# Altium PCB PCB_Amplifier.PcbDoc (part 1 of 4) (continued)
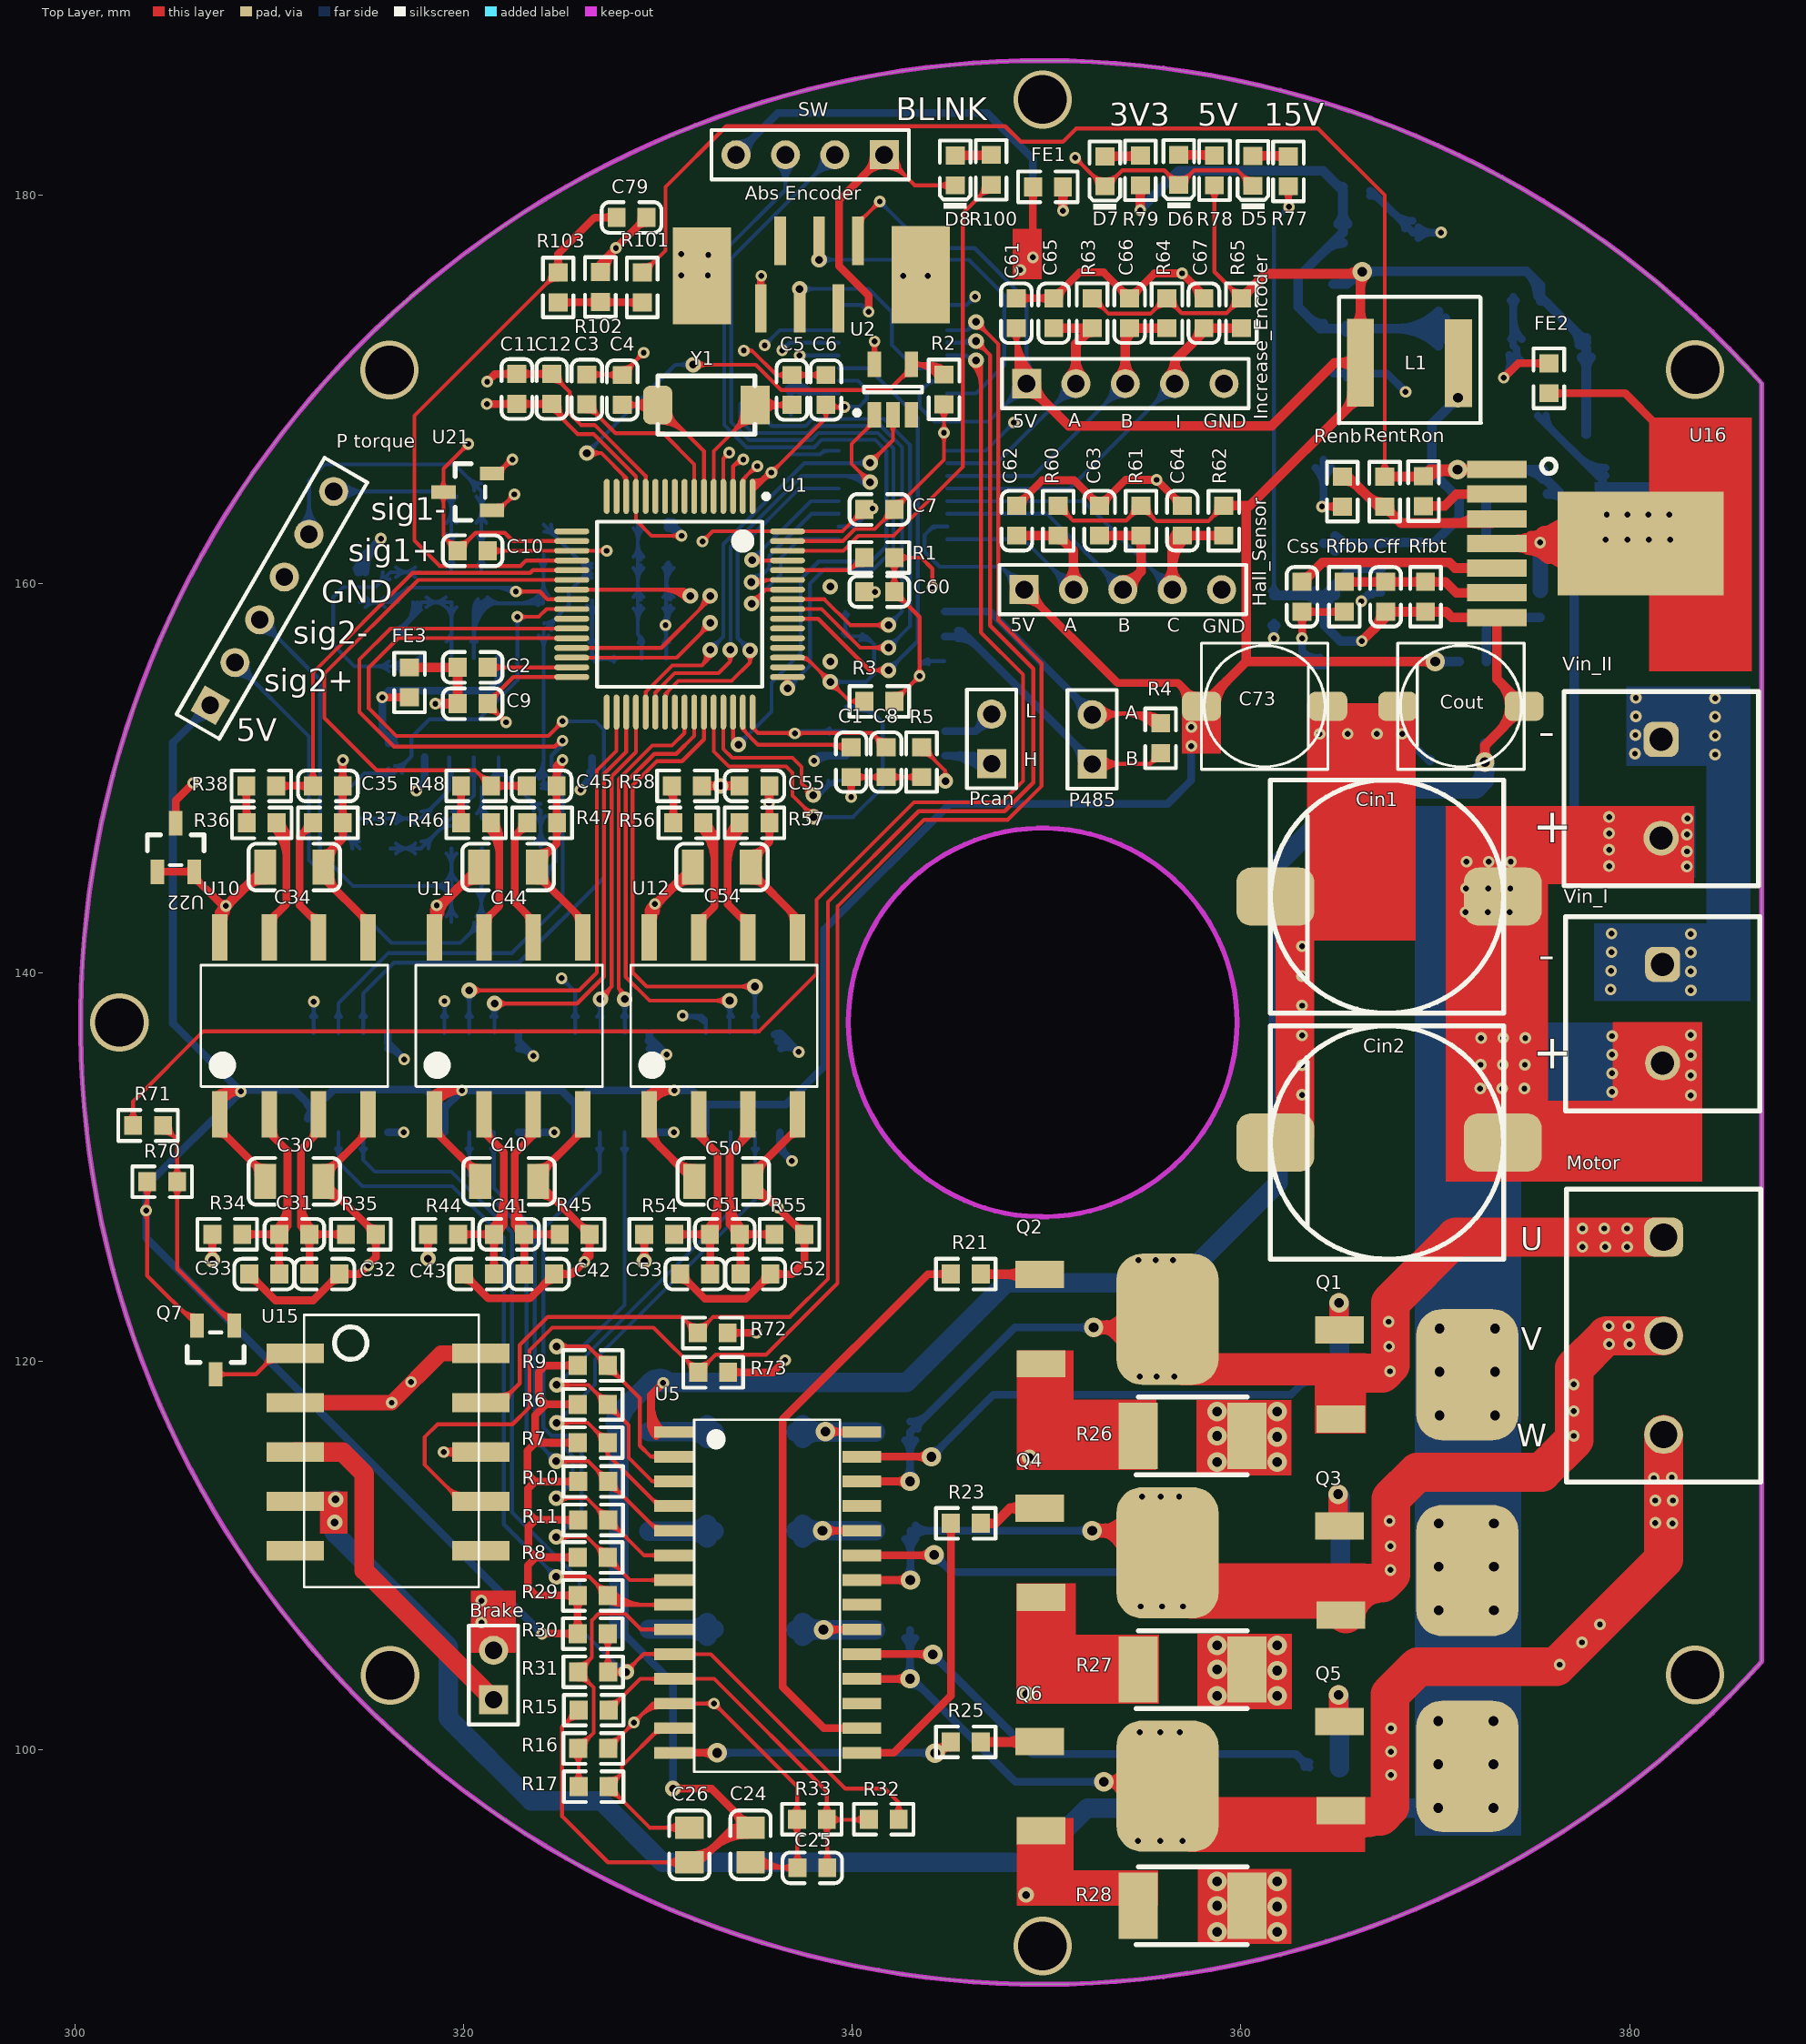
[diagram p0: Top Layer view]
## Footprints (in the part's own frame and the unit in brackets; to place one, negate y for a bottom-side part, rotate by r counter-clockwise, add the part's x,y. Pads: shape width x height; smd on the part's side, far side on the other; paste and mask are expansions set on the pad) (continued)
  rect 1x2 smd: 2(0,0) 3(-2.3,0)
  rect 4x3 smd: 4(0,6.3)
  silkscreen extent -3.25,1.5 3.25,5, body extent -3.25,0.03 3.25,7.33, height 1.6
STM-LQFP64_N [mm] "Thin QFP, 64-Leads, Body 10x10mm, Pitch 0.5mm, IPC Medium Density"
  oval 1.8x0.3 smd: 1(-5.55,3.75) 2(-5.55,3.25) 3(-5.55,2.75) 4(-5.55,2.25) 5(-5.55,1.75) 6(-5.55,1.25) 7(-5.55,0.75) 8(-5.55,0.25) 9(-5.55,-0.25) 10(-5.55,-0.75) 11(-5.55,-1.25) 12(-5.55,-1.75) 13(-5.55,-2.25) 14(-5.55,-2.75) 15(-5.55,-3.25) 16(-5.55,-3.75) 33(5.55,-3.75) 34(5.55,-3.25) 35(5.55,-2.75) 36(5.55,-2.25) 37(5.55,-1.75) 38(5.55,-1.25) 39(5.55,-0.75) 40(5.55,-0.25) 41(5.55,0.25) 42(5.55,0.75) 43(5.55,1.25) 44(5.55,1.75) 45(5.55,2.25) 46(5.55,2.75) 47(5.55,3.25) 48(5.55,3.75)
  oval 0.3x1.8 smd: 17(-3.75,-5.55) 18(-3.25,-5.55) 19(-2.75,-5.55) 20(-2.25,-5.55) 21(-1.75,-5.55) 22(-1.25,-5.55) 23(-0.75,-5.55) 24(-0.25,-5.55) 25(0.25,-5.55) 26(0.75,-5.55) 27(1.25,-5.55) 28(1.75,-5.55) 29(2.25,-5.55) 30(2.75,-5.55) 31(3.25,-5.55) 32(3.75,-5.55) 49(3.75,5.55) 50(3.25,5.55) 51(2.75,5.55) 52(2.25,5.55) 53(1.75,5.55) 54(1.25,5.55) 55(0.75,5.55) 56(0.25,5.55) 57(-0.25,5.55) 58(-0.75,5.55) 59(-1.25,5.55) 60(-1.75,5.55) 61(-2.25,5.55) 62(-2.75,5.55) 63(-3.25,5.55) 64(-3.75,5.55)
  silkscreen extent -5.67,-4.25 4.25,4.58, body extent -5,-5 5,5, height 1.6
TO-252AA [mm] "IRFR3806PbF N沟道MOSFET"
  rect 1.4x2.5 smd: 1(-2.3,-6.575) 3(2.29,-6.5)
  rrect50% 6.75x5.25 smd: 2(0,0)
  body extent -3.3,-7.44 3.3,2.49, height 2.2
TQ2SA [mm] "双通道继电器"
  rect 1x2.94 smd: 1(0,-9.56) 2(2.54,-9.56) 3(5.08,-9.56) 4(7.62,-9.56) 5(10.16,-9.56) 6(10.16,0) 7(7.62,0) 8(5.08,0) 9(2.54,0) 10(0,0)
  silkscreen extent -1.97,-9.1 12.03,-0.1, body extent -1.95,-9.17 12.05,-0.17, height 5.6
"TSSOP 16PIN" [mm] "TXB0106 tssop"
  rect 1.6x0.3 smd: 1(0,0) 2(0,-0.65) 3(0,-1.3) 4(0,-1.95) 5(0,-2.6) 6(0,-3.25) 7(0,-3.9) 8(0,-4.55) 9(5.6,-4.55) 10(5.6,-3.9) 11(5.6,-3.25) 12(5.6,-2.6) 13(5.6,-1.95) 14(5.6,-1.3) 15(5.6,-0.65) 16(5.6,0)
  silkscreen extent 0.38,-5.3 5.2,0.72
"XTAL CPX53GB" [mm]
  rrect50% 1.5x2 smd: 1(-2.5,1.5)
  rect 1.5x2 smd: 2(2.5,1.5)
  silkscreen extent -2.5,0 2.5,3, body extent -2.48,0 2.52,3, height 0.85

## Part data
"Abs Encoder": library part "Header 7", "1mm 7pin FPC插座 下贴翻盖"
Brake: "电磁抱闸接口"
C1 C2 C3: library part "0603 2.2uF (225) 10% 16V", "贴片电容"
C4 C5: library part "0603 6pF (6R0) 0.25pF 50V", "贴片电容"
C6 C60 C61: library part "0603 10uF (106) 10% 10V", "贴片电容"
C7: library part "0603 1uF (105) 10% 50V", "贴片电容"
C8 C9 C10 C11 C12 C35 C45 C55 C80: library part "0603 100nF (104) 10% 50V", "贴片电容"
C21 C22 C23: library part "0805 1uF (105) 10% 50V", "贴片电容"
C24 C26: library part "0805 22uF (226) 20% 25V", "贴片电容"
C25: library part "0603 200pF (201) 10% 50V", "贴片电容"
C30 C34 C40 C44 C50 C54: library part "1206 100nF (104) 10% 50V", "贴片电容"
C31 C41 C51 C82 C83 C86 C87: library part "0603 330pF (331) 5% 50V", "贴片电容"
C32 C33 C42 C43 C52 C53: library part "0603 10pF (100) 5% 50V", "贴片电容"
C62 C63 C64 C65 C66 C67 C84 C88: library part "0603 1nF (102) 10% 50V", "贴片电容"
C70: library part CAPACITOR, "贴片钽电容"
C71 C72: library part Cap, "贴片电容"
C73: library part "CAPACITOR POL", "表贴电解电容 5x5.9"
C74 C77: library part "Cap Pol3", "贴片钽电容"
C75 C76: library part "Cap Semi", "贴片电容"
C79: library part "0603 4.7uF (475) 10% 16V", "贴片电容"
C81 C85: library part "0603 47pF (470) 5% 50V", "贴片电容"
Cff: library part "0603 22nF (223) 10% 50V", "贴片电容"
Cin: library part "1206 10uF (106) 10% 50V", "贴片电容"
Cin1 Cin2: library part "Cap Pol1", "表贴电解电容"
Cout: library part "Cap Pol1", "贴片电解电容"
Css: library part "0603 4.7nF (472) 10% 50V", "贴片电容"
D1 D2 D3: library part "SMA(DO-214AC) M7", "快速恢复二极管 600V 1A"
D4: library part "二极管 SBRT20U60SP5", "20A 60V 二极管"
D5 D6 D7 D8: library part "0603 绿灯", "发光二极管"
FE1 FE2 FE3: library part "0603 1Ω (1R00) 1%", "磁珠"
Hall_Sensor Increase_Encoder: library part "Header 5", "Header, 5-Pin"
L1: library part INDUCTOR_SLF, "贴片电感"
Motor: "电机绕组接线"
P485 Pcan Vin_I Vin_II: "Header, 2-Pin"
"P torque": "Header, 6-Pin"
Q1 Q2 Q3 Q4 Q5 Q6: library part NMOS-2, "N-Channel Power MOSFET 60V 43A"
Q7: library part "SOT-23 MMBT5401 2L", "三极管"
R1 R2 R3 R4 R85 R86 R91 R92 R96 R97 R102 R103: library part "0603 10KΩ (1002) 1%", "贴片电阻"
R5 R80 R81: library part "0603 0Ω (0R0) 1%", "贴片电阻"
R6 R7 R8 R9 R10 R11 R29 R30 R60 R61 R62 R63 R64 R65 R71: library part "0603 4.7KΩ (4701) 1%", "贴片电阻"
R12 R13 R14 R34 R35 R36 R37 R38 R44 R45 R46 R47 R48 R54 R55 R56 R57 R58: library part "0603 10Ω (10R0) 1%", "贴片电阻"
R15 R16 R17 R31 R32 R33 R89 R90 R94 R95: library part "0603 11KΩ (1102) 1%", "贴片电阻"
R20 R21 R22 R23 R24 R25 R26 R27 R28: library part "0603 100Ω (1000) 1%", "贴片电阻"
R70: library part "0603 100KΩ (1003) 1%", "贴片电阻"
R72 R73: library part "0603 27KΩ (2702) 1%", "贴片电阻"
R75 R76: library part res1, "贴片电阻"
R77 R78 R79 R100: library part "0603 1KΩ (1001) 1%", "贴片电阻"
R87: library part "0603 47Ω (47R0) 1%", "贴片电阻"
R88 R98: library part "0603 47KΩ (4702) 1%", "贴片电阻"
R93 R99: library part "0603 2KΩ (2001) 1%", "贴片电阻"
R101: library part "0603 82KΩ (8202) 1%", "贴片电阻"
Renb Rent Ron: library part "0603 270KΩ (2703) 1%", "贴片电阻"
Rfbb: library part "0603 1.8KΩ (1801) 1%", "贴片电阻"
Rfbt: library part "0603 36KΩ (3602) 1%", "贴片电阻"
SW: "Header, 4-Pin"
T1: library part B360A, "贴片肖特基二极管"
U1: "ARM Cortex-M4 32-bit MCU+FPU, 210 DMIPS, 1024 kB Flash, 192 kB Internal RAM, 51 I/Os, 64-pin LQFP, -40 to 85 degC, Tray"
U2: "单路异或门"
U3: "CAN收发芯片"
U4: "485电平转化芯片"
U5: "600V，三相桥式驱动器，门驱动供应电压范围：10V to 20V"
U6 U7 U8: library part "ADUM 1200", "数字隔离器 1MHz"
U9: "数字隔离器 1MHz"
U10 U11 U12: library part AMC1200, "全差动隔离放大器 固定增益8倍 隔离电压4000V"
U13 U14: "6-Bit Bidirectional Level-Shifting and Voltage Translator  With Auto-Direction Sensing and ±15-kV ESD Protection"
U15: library part TQ2SA, "双通道继电器"
U16: "LMZ14201H 1A SIMPLE SWITCHER Power Module for High Output Voltage"
U17: "降压芯片"
U18: "表贴线性稳压芯片"
U19 U20 U21 U22: library part PSM712-LF-T7_[C32677], "TVS 瞬态抑制二极管"
U23 U24: "双路运放"
Y1: "贴片无源晶振"

## Via types
v1: diameter 0.6, hole 0.3, Top Layer to Bottom Layer, 223 vias
v2: diameter 1, hole 0.5, Top Layer to Bottom Layer, 58 vias
v3: diameter 0.8, hole 0.4, Top Layer to Bottom Layer, 52 vias
v4: diameter 3, hole 2.5, Top Layer to Bottom Layer, 7 vias
v5: diameter 0.8, hole 0.4, Top Layer to Bottom Layer, tented bottom, 1 vias

## Nets (pads, with @x,y where several pads share a name; then routed paths per layer and width w, separated by ;. In a path a pad name is that pad's centre, name@x,y a point inside that pad or via, vN(x,y) a via of type N, cw(c..) or ccw(c..) an arc to the next point about the centre after c; other vN are vias at no path point)
3V3_A: C11.2 C12.2 C34.2 C44.2 C54.2 C76.2 C77.1 FE1.1 R79.2 R85.2 U1.13 U10.8 U11.8 U12.8 U18.2 U18.4 U22.1 U22.2 U23.8 U24.8 | length 203.8
  Top Layer w0.2: C12.2@324.55,169.255 324.55,169.025 325.875,167.7 326.7,167.7 328.875,165.525 U1.13@328.875,164.5 328.875,163.275 329.68,162.47 v1(331.225,162.47) ; C12.2@324.575,168.89 cw(c324.575,168.624) C12.2@324.763,168.812 ; C12.2@324.74,169.255 ccw(c325.754,169.255) 325.037,168.538 ; C12.2@324.94,169.255 ccw(c326.437,169.255) 325.378,168.197 ; v1@331.084,162.329 ccw(c330.742,161.987) 330.742,162.47 ccw(c330.742,162.953) v1@331.084,162.611
  Top Layer w0.4: U22.1@304.25,145.175 U22.2@306.15,145.175 ; U22.1@304.356,145.069 cw(c304.612,144.813) 304.612,145.175 cw(c304.612,145.537) U22.1@304.356,145.281 ; U22.2@305.825,145.225 v1@307.642,143.408 ; U22.2@306.044,145.069 ccw(c305.788,144.813) 305.788,145.175 ccw(c305.788,145.537) U22.2@306.044,145.281 ; U22.2@306.15,144.75 cw(c306.15,144.388) 306.406,144.644 cw(c306.662,144.9) U22.2@306.3,144.9 ; 307.348,143.702 ccw(c307.775,144.129) v1@307.775,143.525 ; v1(321.205,169.255) C11.2@322.75,169.255 C12.2@324.55,169.255 ; C11.2@322.538,169.068 ccw(c322.085,168.615) 322.085,169.255 ccw(c322.085,169.895) C11.2@322.538,169.442 ; C11.2@322.962,169.068 cw(c323.415,168.615) 323.415,169.255 cw(c323.415,169.895) C11.2@322.962,169.442 ; C12.2@324.338,169.068 ccw(c323.885,168.615) 323.885,169.255 ccw(c323.885,169.895) C12.2@324.338,169.442
  Top Layer w0.5: U10.8@307.465,141.8 307.465,143.08 C34.2@309.81,145.425 ; U10.8@307.465,142.556 cw(c308.644,142.556) v1@307.81,143.39 ; U10.8@307.465,142.961 cw(c307.894,142.961) v1@307.787,143.377 ; U10.8@307.615,142.6 cw(c309.136,142.6) 308.06,143.675 ; 307.702,143.055 ccw(c307.35,143.258) v1@307.728,143.407 ; v1@307.762,143.473 ccw(c307.623,143.992) 308.088,143.724 ; 308.7,144.315 cw(c309.81,143.206) C34.2@309.81,144.775 ; U11.8@318.515,141.8 318.515,143.13 ; 318.515,143.064 cw(c319.011,143.064) v1@318.66,143.415 ; 318.515,143.112 cw(c318.903,143.112) v1@318.657,143.411 ; v1@318.578,143.432 cw(c318.316,143.329) 318.515,143.13 ; v1@318.604,143.405 cw(c318.474,143.128) 318.772,143.059 ; v1@318.62,143.5 ccw(c318.549,144.29) 319.194,143.828 ; v1@318.625,143.5 ccw(c318.625,144.128) 319.069,143.684 ; U11.8@318.665,142.6 cw(c320.307,142.6) 319.146,143.761 ; 319.7,144.315 cw(c320.81,143.206) C44.2@320.81,144.775 ; C44.2@320.81,145.425 318.515,143.13 ; U12.8@329.565,141.8 329.565,143.18 C54.2@331.81,145.425 ; U12.8@329.565,142.716 cw(c330.659,142.716) v1@329.885,143.49 ; 329.565,143.078 cw(c329.981,143.078) v1@329.864,143.477 ; U12.8@329.715,142.6 cw(c331.477,142.6) 330.231,143.846 ; v1@329.806,143.5 cw(c329.355,143.245) 329.855,143.106 ; v1@329.844,143.575 ccw(c329.786,144.043) 330.158,143.753 ; 330.7,144.315 cw(c331.81,143.206) C54.2@331.81,144.775 ; FE1.1@350.693,180.248 cw(c350.314,179.869) 350.85,179.869 ; v1(350.85,179.2) FE1.1@350.85,180.42 ; 350.85,179.893 cw(c351.352,179.893) FE1.1@350.997,180.248 ; R79.2@354.676,180.353 cw(c354.309,179.986) 354.828,179.986 cw(c355.347,179.986) R79.2@354.98,180.353 ; v1@354.828,179.278 R79.2@354.828,180.505
  VDD w0.4: v1(321.205,169.255) 317.575,165.625 v1(317.575,149.35) v1@325.975,149.35 ; 325.663,149.35 ccw(c325.663,149.762) v1@325.954,149.471 ; v1(326.025,149.4) 329.85,145.575 v1(329.85,143.525)
  VDD w0.5: v1(307.775,143.425) v1@329.75,143.425 ; v1(321.205,169.255) 330.1,178.15 341.95,178.15 343,179.2 v1(350.85,179.2) ; 329.488,143.425 ccw(c329.488,143.887) v1@329.815,143.56 ; v1@350.85,179.225 v1(354.825,179.225)
  Bottom Layer w0.4: v1@317.55,149.375 318,149.825 U24.8@318,151.075 ; v1@317.675,149.35 cw(c318.037,149.35) 317.781,149.606 ; v1@325.999,149.497 ccw(c325.872,149.971) 326.297,149.725 ; v1(326.025,149.4) 326.625,150 U23.8@326.625,151.025 ; v1@326.224,149.599 ccw(c325.499,150.325) U23.8@326.525,150.325
  Bottom Layer w0.5: R85.2@330.545,162.91 cw(c330.545,162.331) R85.2@330.955,162.74 ; R85.2@330.545,163.15 v1(331.225,162.47) ; R85.2@330.76,163.125 ccw(c331.219,163.125) R85.2@330.894,162.801 ; R85.2@330.963,162.735 cw(c330.734,162.338) v1@331.177,162.457 ; v1(354.825,179.225) 354.775,179.225 356.8,181.25 364.225,181.25 C76.2@365.25,180.225 ; 363.524,173.676 ccw(c364.25,174.401) U18.2@364.25,173.375 ; 364.311,177.136 cw(c365.25,176.197) C77.1@365.25,177.525 ; C76.2@364.909,180.566 ccw(c365.25,180.908) C76.2@365.25,180.425 ; C77.1@365.003,178.522 ccw(c364.405,179.12) 365.25,179.12 ccw(c366.095,179.12) C77.1@365.498,178.522 ; C76.2@365.25,180.225 C77.1@365.25,178.075 362.95,175.775 362.95,174.25 364.075,173.125 U18.2@364.75,173.125 U18.4@371.05,173.125 ; U18.2@365.427,172.948 cw(c365.854,172.521) 365.854,173.125 cw(c365.854,173.729) U18.2@365.427,173.302 ; U18.4@370.166,172.241 ccw(c368.032,170.107) 368.032,173.125 ccw(c368.032,176.143) U18.4@370.166,174.009 ; U18.4@370.52,172.595 ccw(c369.239,171.314) 369.239,173.125 ccw(c369.239,174.936) U18.4@370.52,173.655
  other v1: 318.625,143.45
3V3_A_GND: C11.1 C12.1 C34.1 C35.1 C44.1 C45.1 C54.1 C55.1 C74.2 C75.1 C76.1 C77.2 C79.1 C80.1 C84.1 C88.1 FE2.1 FE3.1 R37.2 R47.2 R57.2 R86.1 R102.1 U1.12 U10.5 U11.5 U12.5 U18.3 U22.3 U23.4 U24.4 | length 259
  Top Layer w0.2: C12.1@324.55,170.795 325.475,169.87 325.475,168.75 326.05,168.175 326.75,168.175 329.375,165.55 U1.12@329.375,164.5 ; C12.1@324.575,170.43 cw(c324.575,169.609) 325.155,170.19 ; C12.1@324.94,170.795 ccw(c325.882,170.795) 325.216,170.129
  Top Layer w0.4: U22.3@305.094,148.056 ccw(c304.838,148.312) 305.2,148.312 ccw(c305.562,148.312) U22.3@305.306,148.056 ; U22.3@305.2,147.675 305.2,148.85 v1(306.1,149.75) ; C34.1@312.79,146.125 ccw(c312.79,146.692) C34.1@313.191,146.291 ; C34.1@313.155,145.09 ccw(c314.531,145.09) 313.558,144.117 ; C34.1@313.155,145.76 cw(c314.35,145.76) 313.505,146.605 ; R37.2@313.608,147.488 cw(c313.155,147.035) 313.795,147.035 cw(c314.435,147.035) R37.2@313.982,147.488 ; R37.2@313.608,147.912 ccw(c313.155,148.365) 313.795,148.365 ccw(c314.435,148.365) R37.2@313.982,147.912 ; C35.1@313.608,149.388 cw(c313.155,148.935) 313.795,148.935 cw(c314.435,148.935) C35.1@313.982,149.388 ; C35.1@313.608,149.812 ccw(c313.155,150.265) 313.795,150.265 ccw(c314.435,150.265) C35.1@313.982,149.812 ; v1@313.795,150.925 C35.1@313.795,149.6 313.795,146.895 312.79,145.89 C34.1@312.79,145.425 312.79,144.885 315.085,142.59 U10.5@315.085,141.8 U10.5@315.085,140.86 ; U10.5@314.727,142.948 ccw(c315.085,143.307) U10.5@315.085,142.8 ; U10.5@314.751,142.924 cw(c314.426,142.6) U10.5@314.885,142.6 ; v1(315.82,154.155) FE3.1@317.225,154.155 ; FE3.1@317.013,153.968 ccw(c316.56,153.515) 316.56,154.155 ccw(c316.56,154.795) FE3.1@317.013,154.342 ; v1(321.225,170.4) 321.62,170.795 C11.1@322.75,170.795 C12.1@324.55,170.795 ; C11.1@322.538,170.608 ccw(c322.085,170.155) 322.085,170.795 ccw(c322.085,171.435) C11.1@322.538,170.982 ; C11.1@322.962,170.608 cw(c323.415,170.155) 323.415,170.795 cw(c323.415,171.435) C11.1@322.962,170.982 ; C44.1@323.79,144.725 cw(c323.79,143.977) 324.319,144.506 ; C44.1@323.79,146.125 ccw(c323.79,147.356) 324.661,146.486 ; C44.1@324.155,145.09 ccw(c325.169,145.09) 324.452,144.373 ; C44.1@324.155,145.76 cw(c324.686,145.76) C44.1@324.311,146.136 ; C12.1@324.338,170.608 ccw(c323.885,170.155) 323.885,170.795 ccw(c323.885,171.435) C12.1@324.338,170.982 ; C45.1@324.608,149.388 cw(c324.155,148.935) 324.795,148.935 cw(c325.435,148.935) C45.1@324.982,149.388 ; C45.1@324.608,149.812 ccw(c324.155,150.265) 324.795,150.265 ccw(c325.435,150.265) C45.1@324.982,149.812 ; R47.2@324.633,147.488 cw(c324.241,147.096) 324.795,147.096 ; R47.2@324.633,147.912 ccw(c324.241,148.304) 324.795,148.304 ; 324.795,146.975 cw(c325.52,146.975) R47.2@325.007,147.488 ; 324.795,148.425 ccw(c325.52,148.425) R47.2@325.007,147.912 ; C45.1@324.795,149.947 cw(c326.078,149.947) v1@325.171,150.854 ; 324.795,150.494 cw(c325.127,150.494) v1@325.106,150.825 ; v1(325.1,150.925) 324.795,150.62 C45.1@324.795,149.6 324.795,146.62 323.79,145.615 C44.1@323.79,145.425 323.79,145.035 326.135,142.69 U11.5@326.135,141.8 ; 325.73,143.095 cw(c325.235,142.6) U11.5@325.935,142.6 ; R102.1@326.94,176.045 cw(c327.722,176.046) 327.169,176.599 ; R102.1@327.05,176.045 327.05,176.48 v1(327.85,177.28) ; R102.1@327.34,176.046 cw(c329.081,176.049) v1(327.85,177.28) ; 328.925,178.355 cw(c329.42,177.86) C79.1@329.42,178.56 ; C79.1@328.985,178.415 ccw(c328.576,178.825) C79.1@329.155,178.825 ; C79.1@329.42,178.85 v1(327.85,177.28) ; C54.1@334.79,144.725 cw(c334.79,143.614) 335.575,144.4 ; C54.1@334.79,146.125 ccw(c334.79,146.994) 335.405,146.38 ; C54.1@335.155,145.09 ccw(c335.807,145.09) C54.1@335.346,144.629 ; C54.1@335.155,145.76 cw(c336.048,145.76) 335.417,146.392 ; R57.2@335.558,147.488 cw(c335.105,147.035) 335.745,147.035 cw(c336.385,147.035) R57.2@335.932,147.488 ; R57.2@335.558,147.912 ccw(c335.105,148.365) 335.745,148.365 ccw(c336.385,148.365) R57.2@335.932,147.912 ; C55.1@335.558,149.388 cw(c335.105,148.935) 335.745,148.935 cw(c336.385,148.935) C55.1@335.932,149.388 ; v1@335.64,148.753 ccw(c335.245,149) C55.1@335.695,149.121 ; C55.1@335.745,149.6 335.745,146.72 334.79,145.765 C54.1@334.79,145.425 334.79,145.185 337.185,142.79 U12.5@337.185,141.8 ; 335.773,149.041 ccw(c336.144,148.942) v1@335.812,148.75 ; 336.709,143.266 cw(c336.043,142.6) U12.5@336.985,142.6 ; v1(373.525,170.6) 374.27,171.345 FE2.1@375.85,171.345 ; FE2.1@375.638,171.158 ccw(c375.185,170.705) 375.185,171.345 ccw(c375.185,171.985) FE2.1@375.638,171.532
  GND w0.4: v1(306.1,149.75) 307.275,150.925 v1(313.8,150.925) ; 315.625,153.925 ccw(c315.394,154.155) v1@315.72,154.155 ; 315.75,154.565 ccw(c316.23,154.565) v1@315.891,154.226 ; v1(330.4,157.875) 329.3,158.975 329.3,162.325 v1(321.225,170.4) ; v1(335.725,148.7) 334.65,147.625 329.7,147.625 326.4,150.925 v1(325.1,150.925) v1(313.8,150.925) ; 363.025,177.85 328.42,177.85 v1(327.85,177.28) 327.85,177.025 v1(321.225,170.4) ; v1(313.8,150.925) 313.8,152.1 315.75,154.05 v1(315.75,162.325) 315.75,164.925 v1(321.225,170.4)
  Bottom Layer w0.2: v1@330.259,157.734 cw(c329.833,157.308) 330.435,157.308 ; v1@330.259,158.016 ccw(c329.833,158.442) 330.435,158.442 ; R86.1@330.287,158.742 cw(c329.929,158.384) 330.435,158.384 ; R86.1@330.287,159.308 ccw(c329.929,159.666) 330.435,159.666 ; C80.1@330.287,160.817 cw(c329.929,160.459) 330.435,160.459 ; U23.4@330.294,156.966 ccw(c329.952,157.308) 330.435,157.308 ; v1@330.3,158.048 ccw(c329.991,158.583) 330.588,158.423 ; U23.4@330.435,156.125 330.435,160.99 C80.1@330.545,161.1 ; 330.435,157.477 cw(c330.798,157.477) v1@330.541,157.734 ; v1@330.435,157.853 cw(c331.692,157.853) R86.1@330.803,158.742 ; 330.435,158.273 ccw(c330.798,158.273) v1@330.541,158.016 ; 330.435,158.336 cw(c331.209,158.336) R86.1@330.662,158.883 ; 330.435,159.714 ccw(c331.209,159.714) R86.1@330.662,159.167 ; 330.435,159.928 cw(c331.692,159.928) C80.1@330.803,160.817 ; 330.435,160.197 ccw(c331.692,160.197) R86.1@330.803,159.308 ; 330.435,160.411 cw(c331.209,160.411) C80.1@330.662,160.958 ; 330.538,158.239 ccw(c330.875,158.149) v1@330.573,157.975 ; U23.4@330.576,156.966 cw(c330.918,157.308) 330.435,157.308
  Bottom Layer w0.4: C84.1@314.488,160.782 ccw(c314.035,161.235) 314.675,161.235 ccw(c315.315,161.235) C84.1@314.862,160.782 ; C84.1@314.565,160.595 cw(c315.881,160.595) 314.95,161.525 ; C84.1@314.675,160.595 314.675,161.25 v1(315.75,162.325) ; C84.1@314.965,160.595 cw(c317.246,160.595) v1@315.633,162.208 ; 315.541,162.048 cw(c315.876,161.854) v1@315.776,162.228 ; v1@315.891,154.084 cw(c316.894,153.081) 316.894,154.5 ; 315.955,152.29 cw(c315.46,151.795) C88.1@316.16,151.795 ; C88.1@316.015,152.23 ccw(c316.425,152.639) C88.1@316.425,152.06 ; C88.1@316.45,151.795 315.82,152.425 v1(315.82,154.155) 316.165,154.5 321.375,154.5 321.81,154.935 U24.4@321.81,156.175 ; U18.3@364.75,170.825 367.525,170.825 v1(368.475,169.875) ; U18.3@365.462,170.613 cw(c365.974,170.101) 365.974,170.825 cw(c365.974,171.549) U18.3@365.462,171.037 ; C76.1@366.65,179.975 cw(c366.65,179.25) 367.163,179.763 ; C76.1@366.65,180.225 366.7,180.225 C77.2@368.85,178.075 v1(370.3,178.075) ; 367.826,179.099 ccw(c368.85,180.124) C77.2@368.85,178.675 ; C77.2@368.309,178.616 cw(c367.968,178.275) C77.2@368.45,178.275 ; C77.2@369.133,177.792 cw(c369.816,177.109) 369.816,178.075 cw(c369.816,179.041) C77.2@369.133,178.358 ; C74.2@373.796,171.77 cw(c372.723,171.403) v1(373.525,170.6) 374.175,171.25 ; C75.1@373.882,174.584 cw(c373.54,174.242) 374.023,174.242 cw(c374.506,174.242) C75.1@374.164,174.584 ; C74.2@373.892,172.583 ccw(c373.575,172.9) C74.2@374.023,172.9 ; 373.978,171.053 ccw(c373.398,171.634) C74.2@374.175,171.9 ; C74.2@373.994,171.543 cw(c373.846,171.25) 374.175,171.25 ; C74.2@374.023,172.252 C75.1@374.023,174.775 ; 374.023,173.632 ccw(c375.506,173.632) C74.2@374.457,172.583 ; C74.2@374.175,172.1 374.175,171.25 ; C74.2@374.355,171.543 ccw(c374.503,171.25) 374.175,171.25
3V3_D: C6.2 C7.2 C8.2 C9.2 C10.2 C60.2 FE1.2 R72.2 R73.2 SW.4 U1.1 U1.19 U1.32 U1.48 U1.64 U2.5 U3.3 U6.1 U7.1 U8.1 U9.1 U13.2 U13.8 U14.2 U21.1 U21.2 | length 156.3
  Top Layer w0.2: C9.2@321.245,153.435 cw(c321.245,152.493) 321.911,153.159 ; C9.2@321.245,153.825 v1(322.195,152.875) ; C9.2@321.245,153.875 322.57,155.2 U1.32@325.575,155.2 ; C9.2@321.245,154.215 ccw(c321.245,155.036) 321.825,154.455 ; C10.2@321.245,161.7 U1.19@325.575,161.7 v1(327.375,161.7) ; U21.1@321.475,163.775 321.8,163.775 v1(322.625,164.6) ; U21.2@321.475,165.675 321.8,165.675 v1(322.525,166.4) ; C10.2@321.503,161.442 cw(c322.126,160.819) 322.126,161.7 cw(c322.126,162.581) C10.2@321.503,161.958 ; C9.2@321.61,153.8 ccw(c322.431,153.8) 321.85,153.22 ; C9.2@321.61,153.85 cw(c322.552,153.85) 321.886,154.516 ; U21.1@321.75,164.025 ccw(c321.75,164.749) 322.262,164.237 ; U21.2@321.75,165.925 ccw(c321.75,166.649) 322.262,166.137 ; U21.2@321.954,165.959 ccw(c321.548,166.662) v1@322.332,166.452 ; v1@321.995,152.875 ccw(c321.512,152.875) 321.854,153.216 ccw(c322.195,153.558) v1@322.195,153.075 ; U21.1@322,163.775 cw(c322.483,163.775) 322.141,164.116 ; U21.2@322,165.675 cw(c322.483,165.675) 322.141,166.016 ; 322.214,166.109 ccw(c322.095,166.316) v1@322.329,166.362 ; v1@322.325,166.4 cw(c321.842,166.4) 322.184,166.059 cw(c322.525,165.717) v1@322.525,166.2 ; v1@322.425,164.6 cw(c321.942,164.6) 322.284,164.259 cw(c322.625,163.917) v1@322.625,164.4 ; v1@327.234,161.559 ccw(c326.892,161.217) 326.892,161.7 ccw(c326.892,162.183) v1@327.234,161.841 ; v1(332.3,162.175) 332.825,162.7 U1.64@336.675,162.7 339.505,162.7 C7.2@340.63,163.825 ; v1@332.3,162.375 ccw(c332.3,162.858) 332.641,162.516 ccw(c332.983,162.175) v1@332.5,162.175 ; U1.48@334.875,153.4 334.875,152.6 335.155,152.32 341.025,152.32 C8.2@341.75,151.595 ; U1.1@334.875,164.5 334.875,164.75 v1(335.85,165.725) 338.65,168.525 ; U1.1@334.875,164.9 ccw(c334.875,165.262) 335.131,165.006 ; U1.1@334.875,165.1 ccw(c334.875,165.945) 335.472,165.347 ; U1.1@334.875,165.3 ccw(c334.875,166.628) v1@335.814,165.689 ; U1.48@334.925,152.65 ccw(c335.166,152.65) 334.996,152.479 ; 335.411,165.456 ccw(c335.147,165.913) v1@335.657,165.777 ; 335.466,165.488 cw(c335.685,165.109) v1@335.798,165.532 ; v1@335.65,165.725 cw(c335.167,165.725) 335.509,165.384 cw(c335.85,165.042) v1@335.85,165.525 ; v1@335.85,165.925 ccw(c335.85,166.408) 336.191,166.066 ccw(c336.533,165.725) v1@336.05,165.725 ; 336.519,152.32 cw(c336.519,151.769) v1@336.909,152.159 ; 336.615,152.32 ccw(c336.615,152.735) v1@336.909,152.441 ; v1@337.191,152.159 cw(c337.581,151.769) 337.581,152.32 ; v1@337.191,152.441 ccw(c337.485,152.735) 337.485,152.32 ; C6.2@338.448,168.901 cw(c338.199,168.525) 338.65,168.525 ; C6.2@338.828,169.268 ccw(c339.152,169.4) 339.152,169.05 ; C6.2@338.852,168.901 ccw(c339.101,168.525) 338.65,168.525 ; C6.2@338.933,168.947 cw(c339.182,168.698) 339.182,169.05 ; C6.2@338.996,169.05 ccw(c338.996,169.704) v1@339.459,169.241 ; C6.2@339.013,169.343 ccw(c339.45,169.522) v1@339.45,169.05 ; 339.238,169.05 cw(c339.238,168.738) v1@339.459,168.959 ; v1(339.6,169.1) 339.6,169.2 v1@339.45,169.05 ; 339.964,163.159 cw(c340.63,162.493) C7.2@340.63,163.435 ; 340.025,163.22 ccw(c339.444,163.8) C7.2@340.265,163.8 ; U2.5@340.973,171.777 ccw(c340.546,172.204) 341.15,172.204 ccw(c341.754,172.204) U2.5@341.327,171.777 ; v1@341.009,172.334 cw(c340.667,171.992) 341.15,171.992 cw(c341.633,171.992) v1@341.291,172.334 ; v1@341.013,172.33 cw(c340.797,172.101) 341.101,172.019 ; v1@341.05,172.302 cw(c340.929,172.091) 341.163,172.154 ; 341.084,152.261 cw(c340.418,151.595) C8.2@341.36,151.595 ; 341.137,172.154 cw(c341.371,172.091) v1@341.25,172.302 ; 341.145,152.2 ccw(c341.725,152.781) C8.2@341.725,151.96 ; U2.5@341.15,171.3 341.15,171.625 v1@341.15,172.5 ; 341.199,172.019 cw(c341.503,172.101) v1@341.287,172.33 ; 338.65,168.525 C6.2@338.65,169.205 338.805,169.05 v1@339.45,169.05
  Top Layer w0.4: R72.2@333.595,121.45 v1(335.075,121.45) ; R73.2@333.62,119.425 335.925,119.425 v1(336.55,120.05) ; R72.2@333.782,121.263 cw(c334.235,120.81) 334.235,121.45 cw(c334.235,122.09) R72.2@333.782,121.637 ; R73.2@333.807,119.238 cw(c334.26,118.785) 334.26,119.425 cw(c334.26,120.065) R73.2@333.807,119.612 ; FE1.2@349.118,180.213 cw(c348.665,179.76) 349.305,179.76 cw(c349.945,179.76) FE1.2@349.492,180.213 ; v1(349.3,176.8) 349.305,176.805 FE1.2@349.305,180.425
  VDD w0.4: v1@331.204,137.704 cw(c330.466,136.966) 331.51,136.966 ; v1(331.275,137.775) 331.51,137.54 331.51,125.015 v1(335.075,121.45) ; v1@335.075,121.35 cw(c335.075,120.928) 335.374,121.226 ; v1@335.15,121.45 v1(336.55,120.05)
  Bottom Layer w0.2: U9.1@312.159,137.716 ccw(c311.817,138.058) 312.3,138.058 ccw(c312.783,138.058) U9.1@312.441,137.716 ; v1@312.159,138.359 cw(c311.817,138.017) 312.3,138.017 cw(c312.783,138.017) v1@312.441,138.359 ; U9.1@312.3,136.875 v1(312.3,138.5) ; U8.1@318.884,137.716 ccw(c318.542,138.058) 319.025,138.058 ccw(c319.508,138.058) U8.1@319.166,137.716 ; v1@318.884,138.384 cw(c318.542,138.042) 319.025,138.042 cw(c319.508,138.042) v1@319.166,138.384 ; U8.1@319.025,136.875 v1(319.025,138.525) ; v1@325.05,139.5 cw(c325.05,139.017) 325.391,139.359 cw(c325.733,139.7) v1@325.25,139.7 ; v1(325.05,139.7) 325.75,139 U7.1@325.75,136.875 ; U7.1@325.609,137.716 ccw(c325.267,138.058) 325.75,138.058 ccw(c326.233,138.058) U7.1@325.891,137.716 ; v1(331.275,137.775) 332.275,137.775 U6.1@332.475,137.575 ; v1@331.375,137.602 cw(c331.72,137.004) 331.899,137.671 ; v1@331.416,137.634 cw(c331.758,137.292) 331.758,137.775 cw(c331.758,138.258) v1@331.416,137.916 ; v1@331.448,137.875 ccw(c331.687,138.013) 331.616,137.747 ; v1@331.509,137.775 cw(c331.509,136.609) U6.1@332.334,137.434 ; 331.992,137.775 cw(c331.992,137.092) U6.1@332.475,137.575 ; U6.1@332.475,136.875 U6.1@332.475,137.575 ; v1(335.85,165.725) 336.79,166.665 338.355,166.665 338.54,166.85 U13.8@339.3,166.85 ; v1@335.85,165.925 ccw(c335.85,166.408) 336.191,166.066 ccw(c336.533,165.725) v1@336.05,165.725 ; v1(337.05,152.3) cw(c337.328,152.022) 337.328,152.415 ; v1@337.165,152.415 U3.3@339.675,152.415 ; v1@337.191,152.159 cw(c337.81,151.54) 337.81,152.415 ; 338.377,166.687 cw(c338.65,166.414) U13.8@338.65,166.8 ; U3.3@338.834,152.274 ccw(c338.492,151.932) 338.492,152.415 ccw(c338.492,152.898) U3.3@338.834,152.556 ; U13.2@339.3,162.95 340.125,162.95 v1(341.05,163.875) ; U14.2@339.3,170.45 340.3,170.45 340.75,170 340.75,169.5 340.35,169.1 v1(339.6,169.1) ; v1@339.741,168.959 cw(c340.083,168.617) 340.083,169.1 cw(c340.083,169.583) v1@339.741,169.241 ; U13.2@339.95,163 ccw(c339.95,163.543) 340.334,163.159 ; v1@340.85,163.875 cw(c340.367,163.875) 340.709,163.534 cw(c341.05,163.192) v1@341.05,163.675
  Bottom Layer w0.4: SW.4@334.03,182.075 336.18,184.225 346.95,184.225 349.3,181.875 v1(349.3,176.8) v1(348.65,176.15) ; SW.4@334.03,182.625 ccw(c334.03,183.953) 334.969,183.014 ccw(c335.908,182.075) SW.4@334.58,182.075
  other v1: 341.175,159.575 341.15,172.475